# Altium PCB ZYNQ_JTY_16CH.PcbDoc (part 1 of 5)
Units mm, origin at the board's own origin, x right, y up, seen from the top; angles counter-clockwise.
Board outline 164 x 124.5 mm, 4 copper layers (Top1, GND2, PWR3, Bottom4), stack 0.568 mm thick; 525 components, 438 nets, 2202 pads, 1379 vias.
Unrouted connection lines stored in the file: 13.
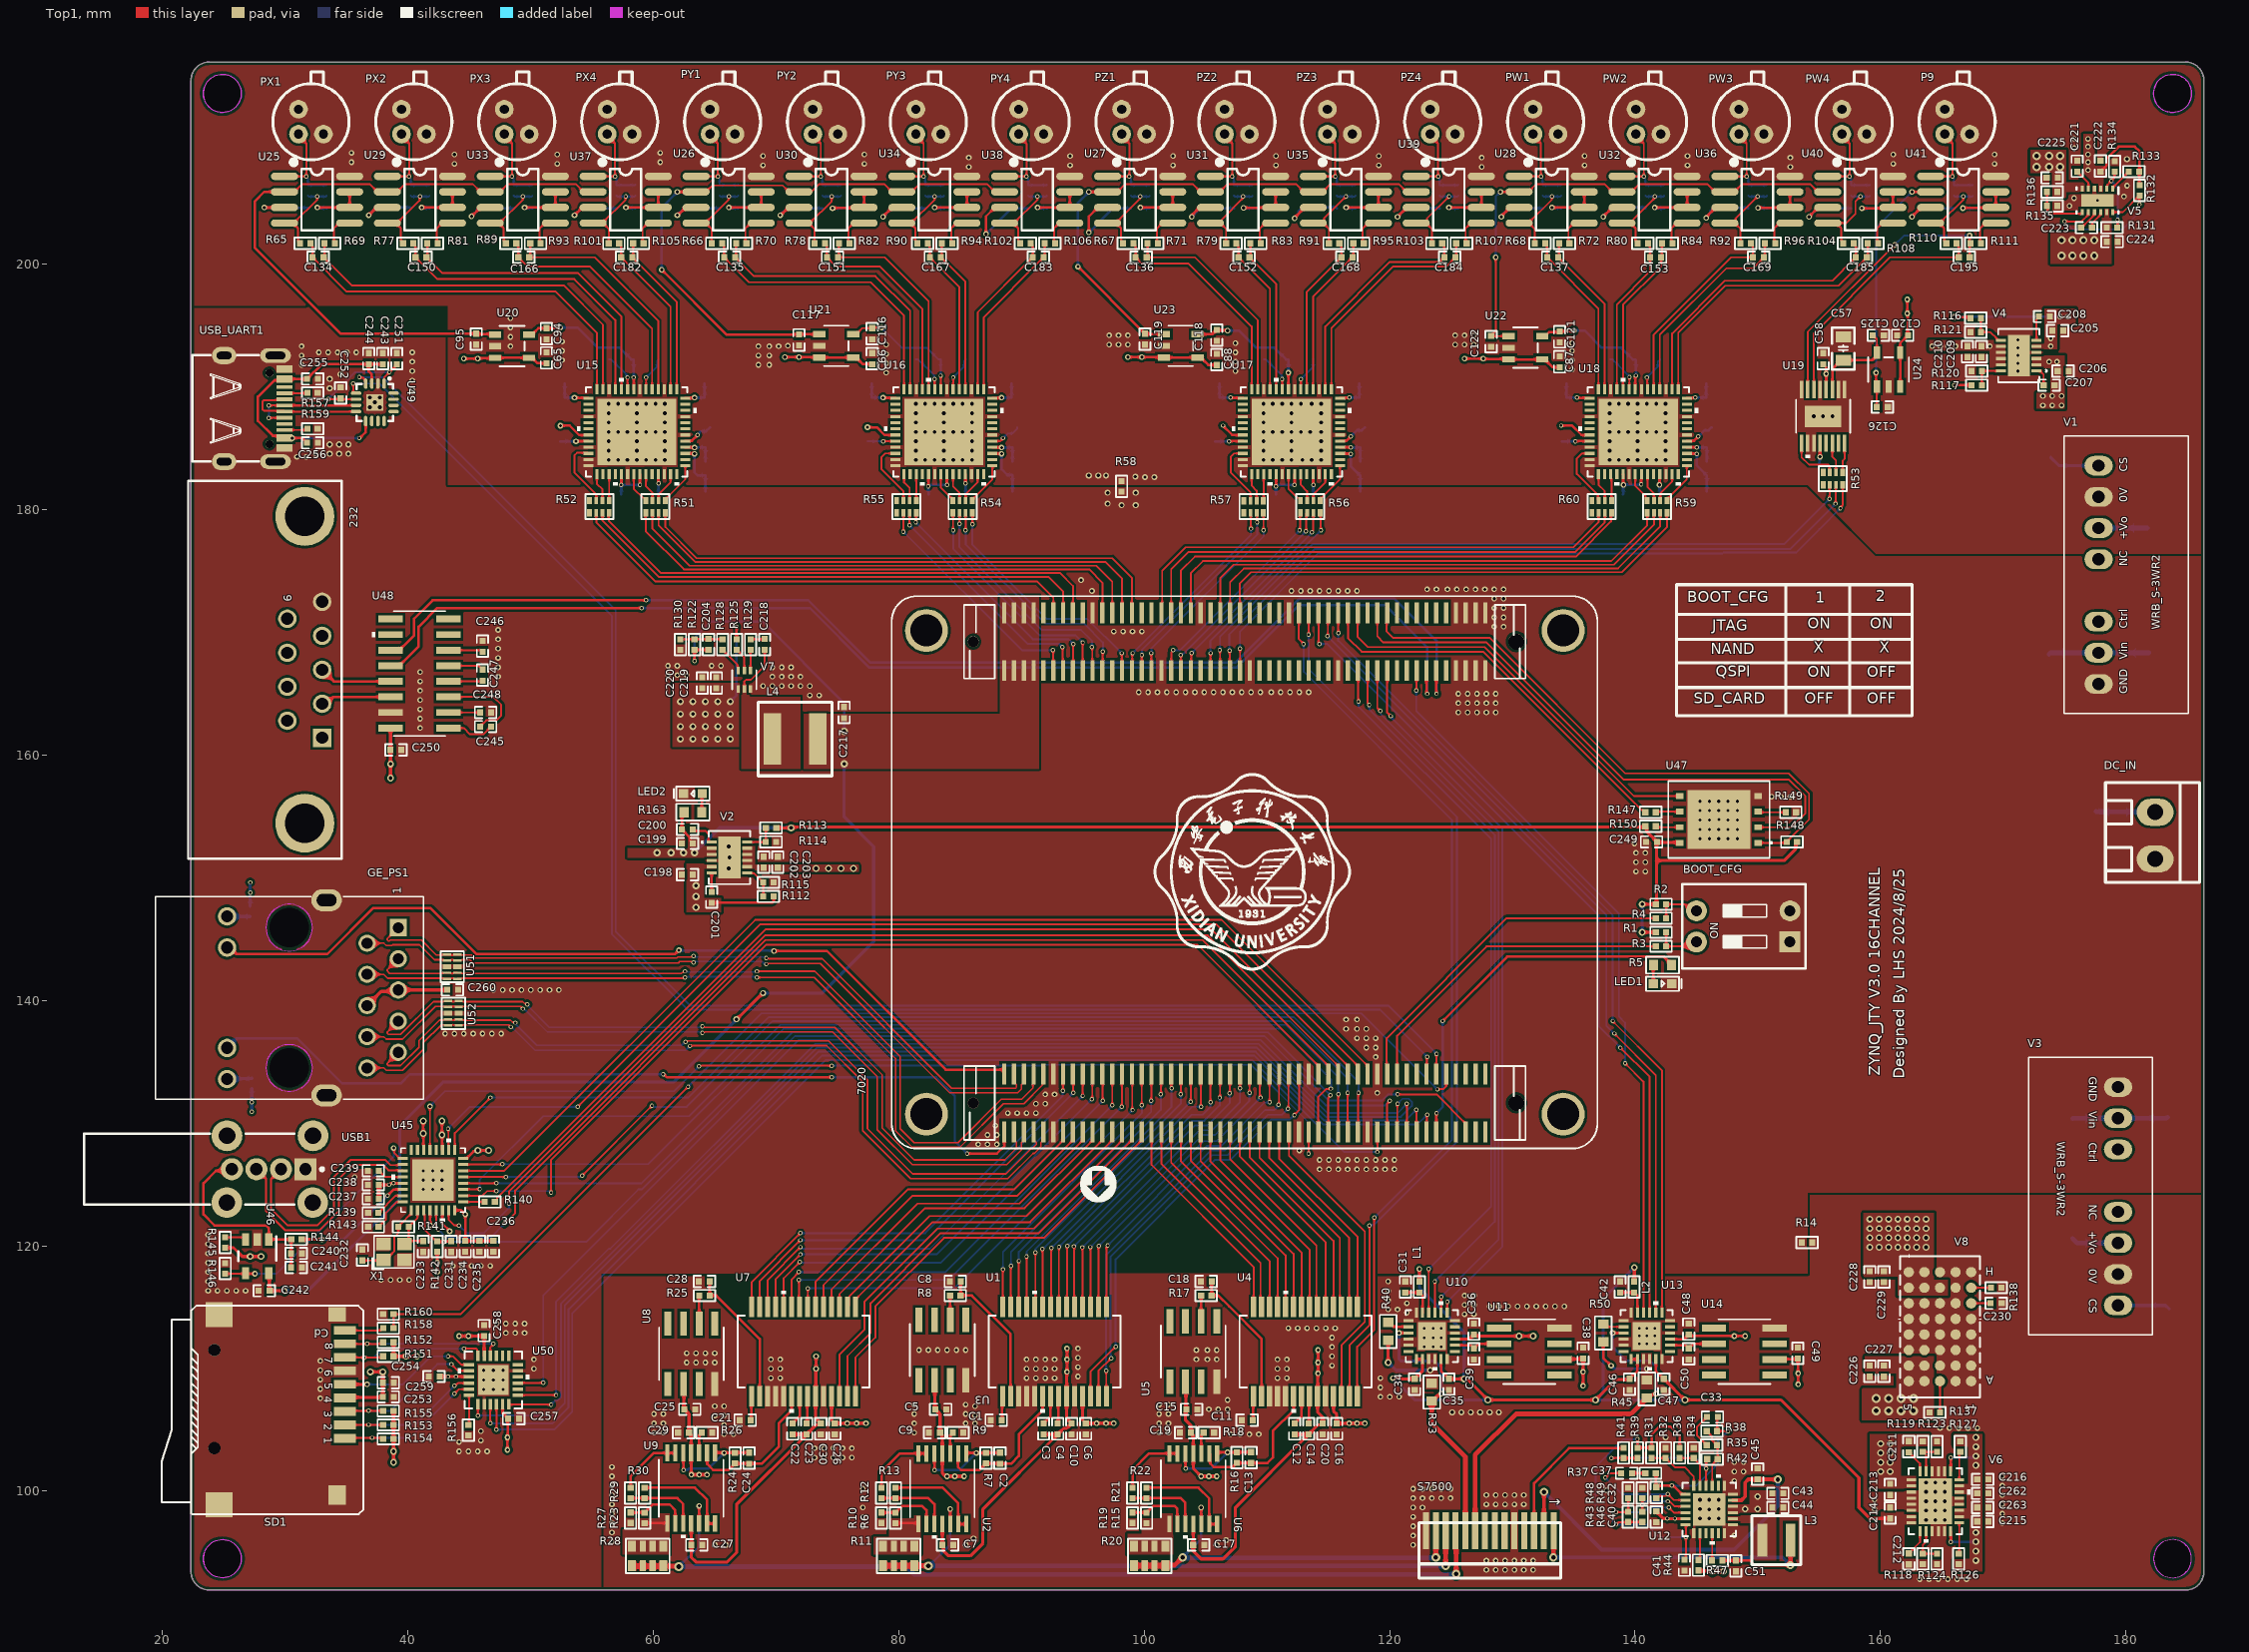
[diagram p0: Top1 view]
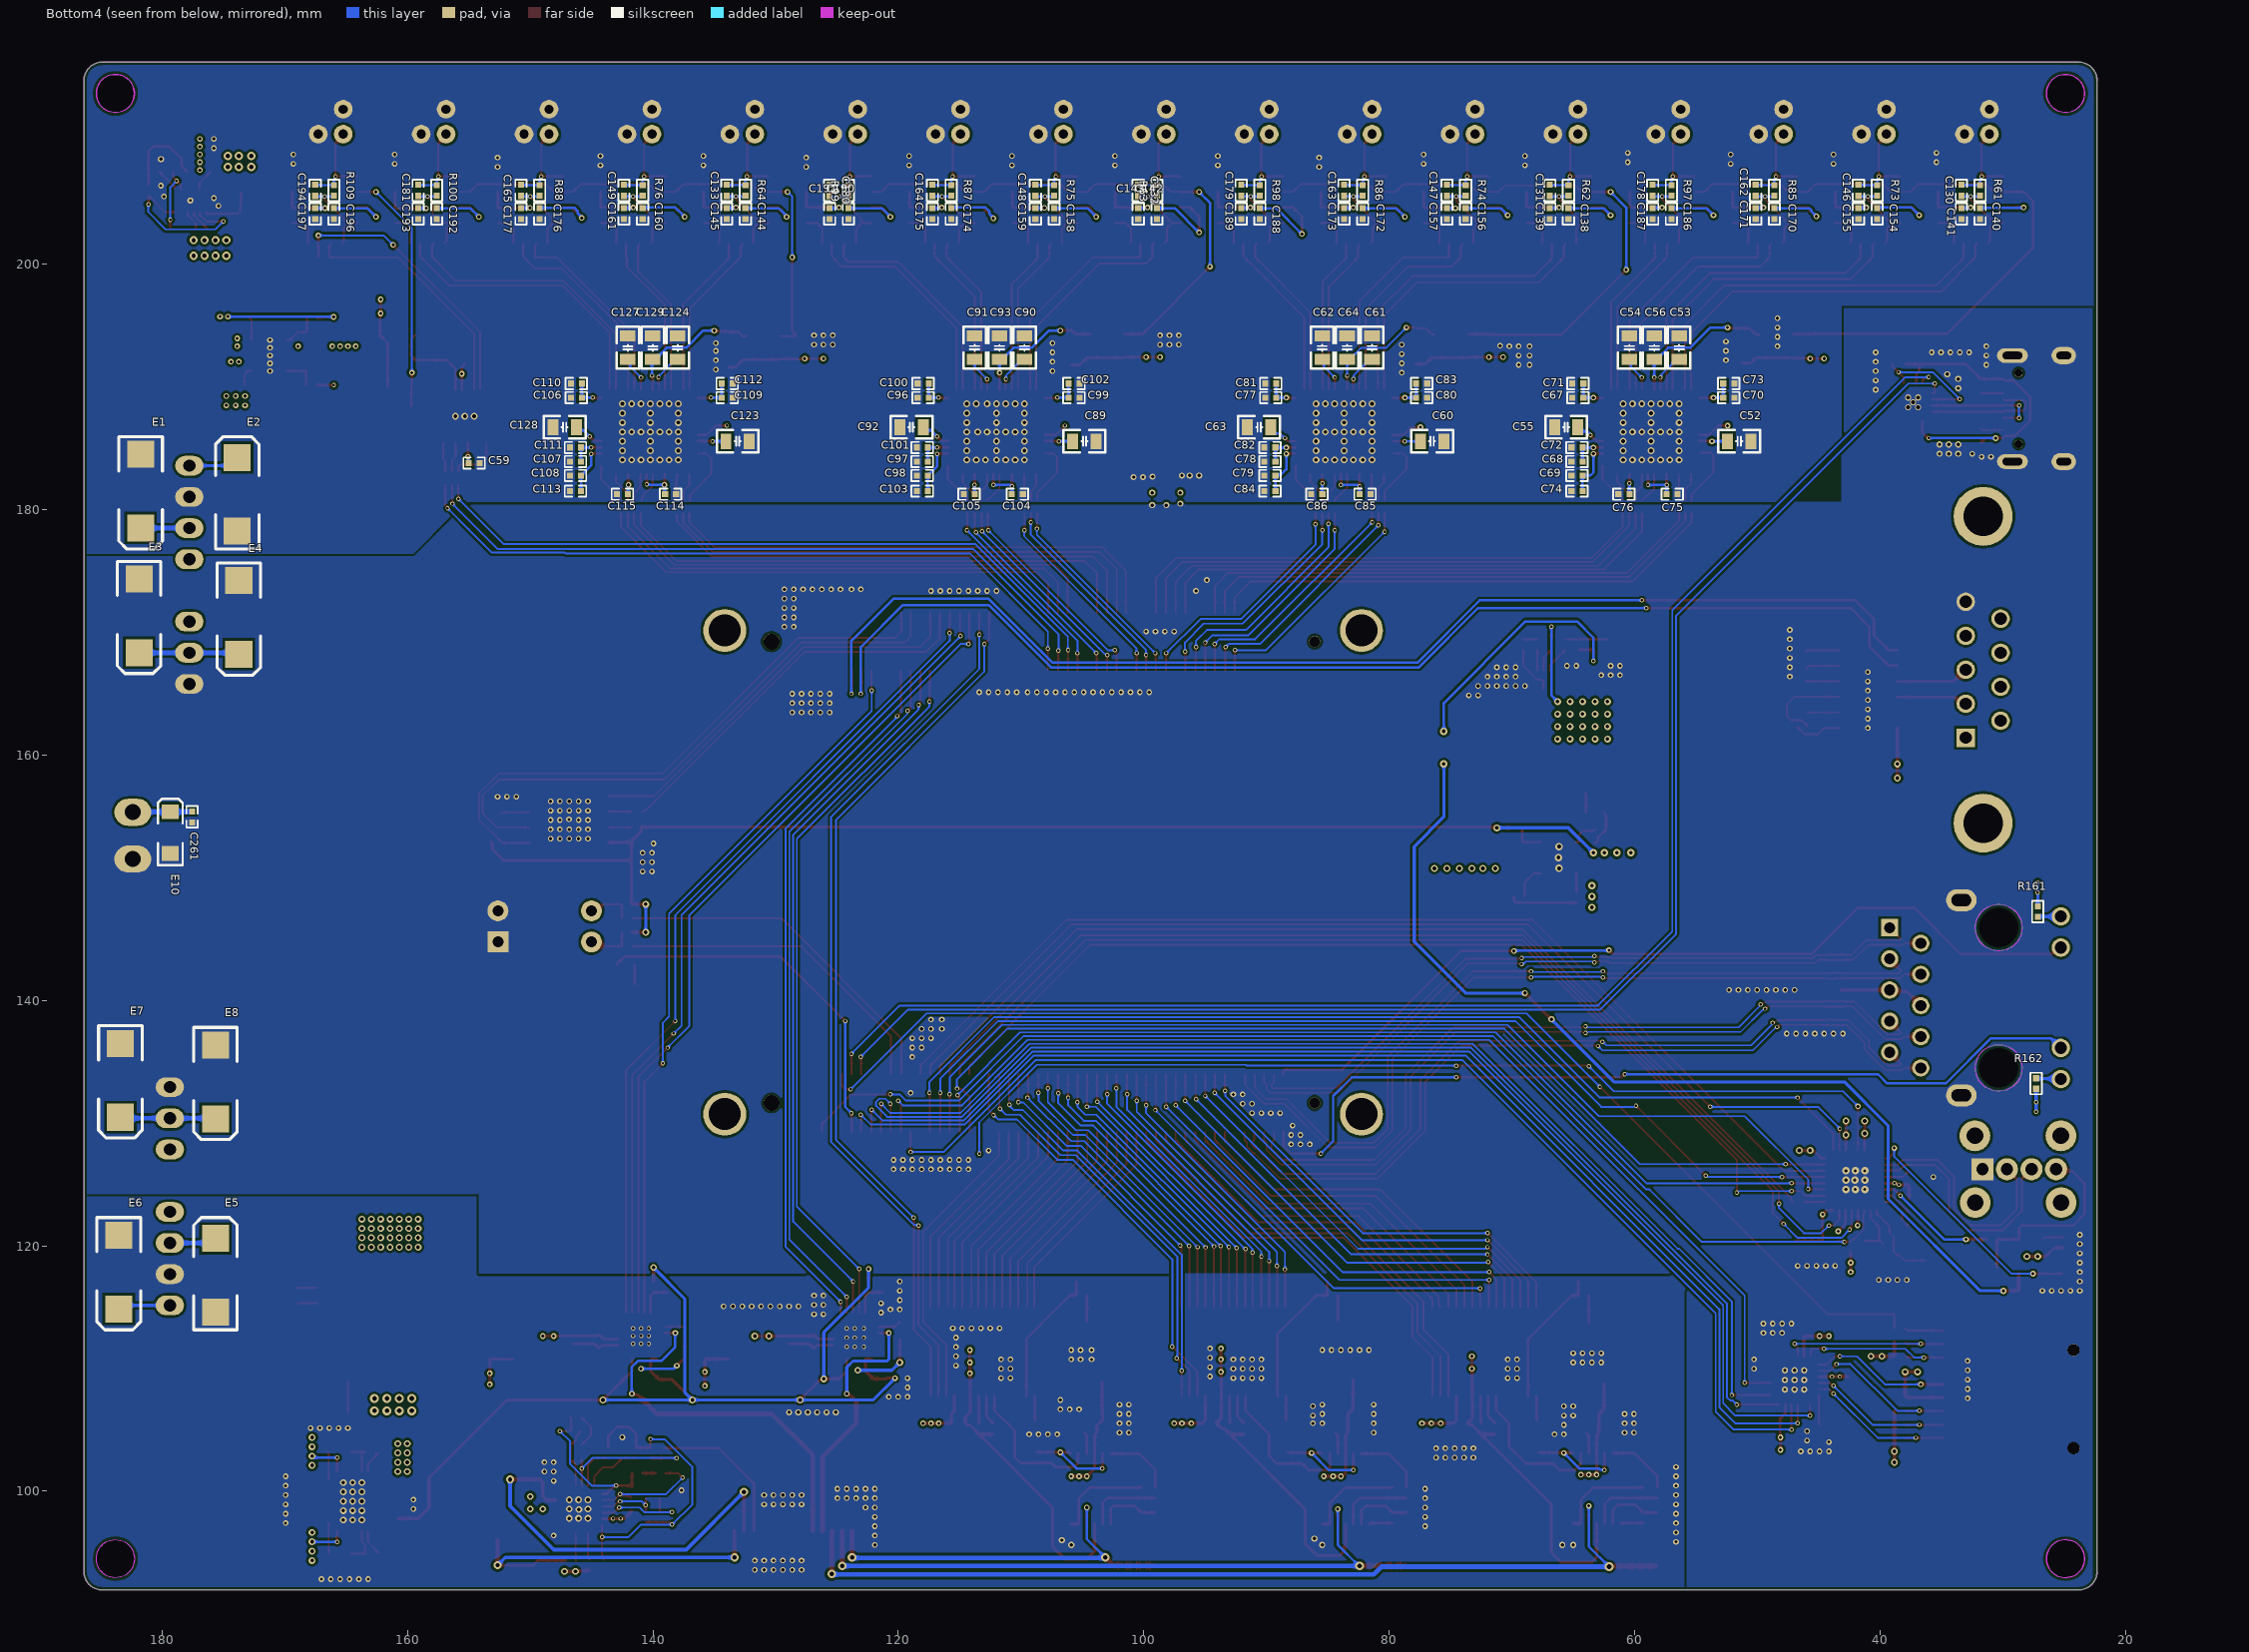
[diagram p1: Bottom4 view, seen from below]
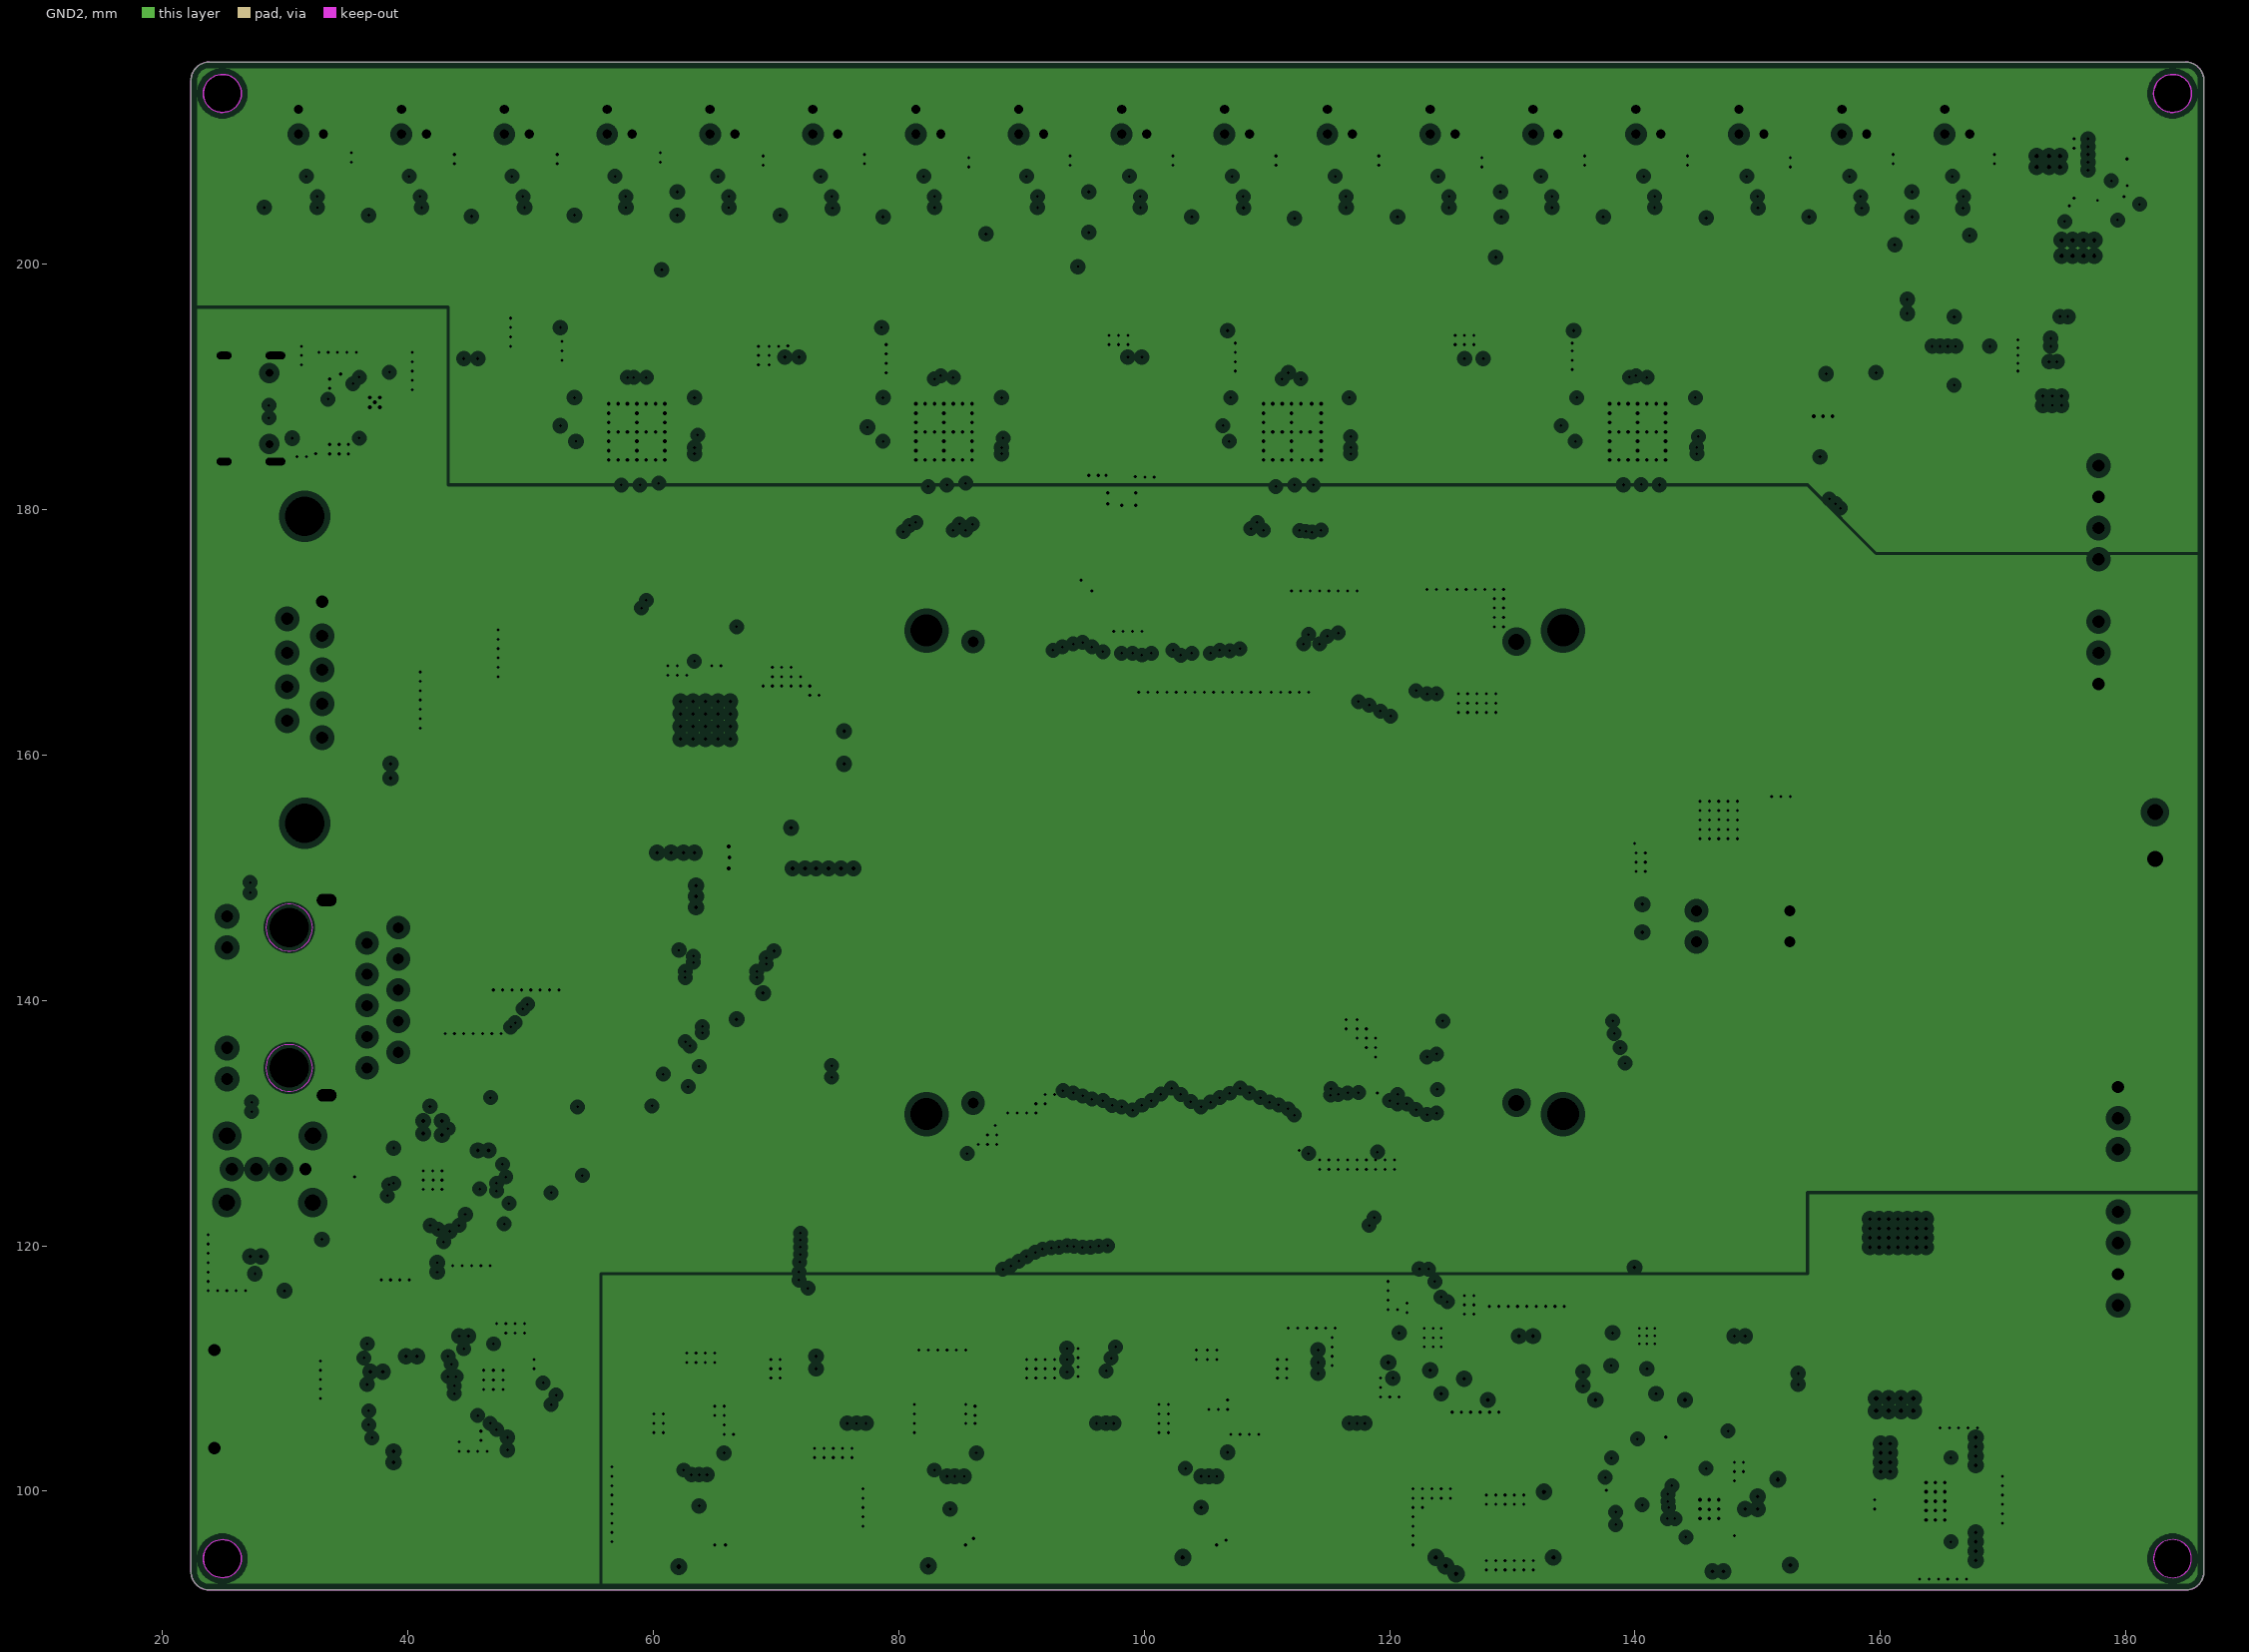
[diagram p2: GND2, clearances drawn from the general rule]